# Altium PCB MB1292.PcbDoc (part 1 of 4)
Units mm, origin at the board's own origin, x right, y up, seen from the top; angles counter-clockwise.
Board outline 103.83 x 65.19 mm, 4 copper layers (L1, L2, L3, L4), stack 1.512 mm thick; 185 components, 157 nets, 707 pads, 942 vias.
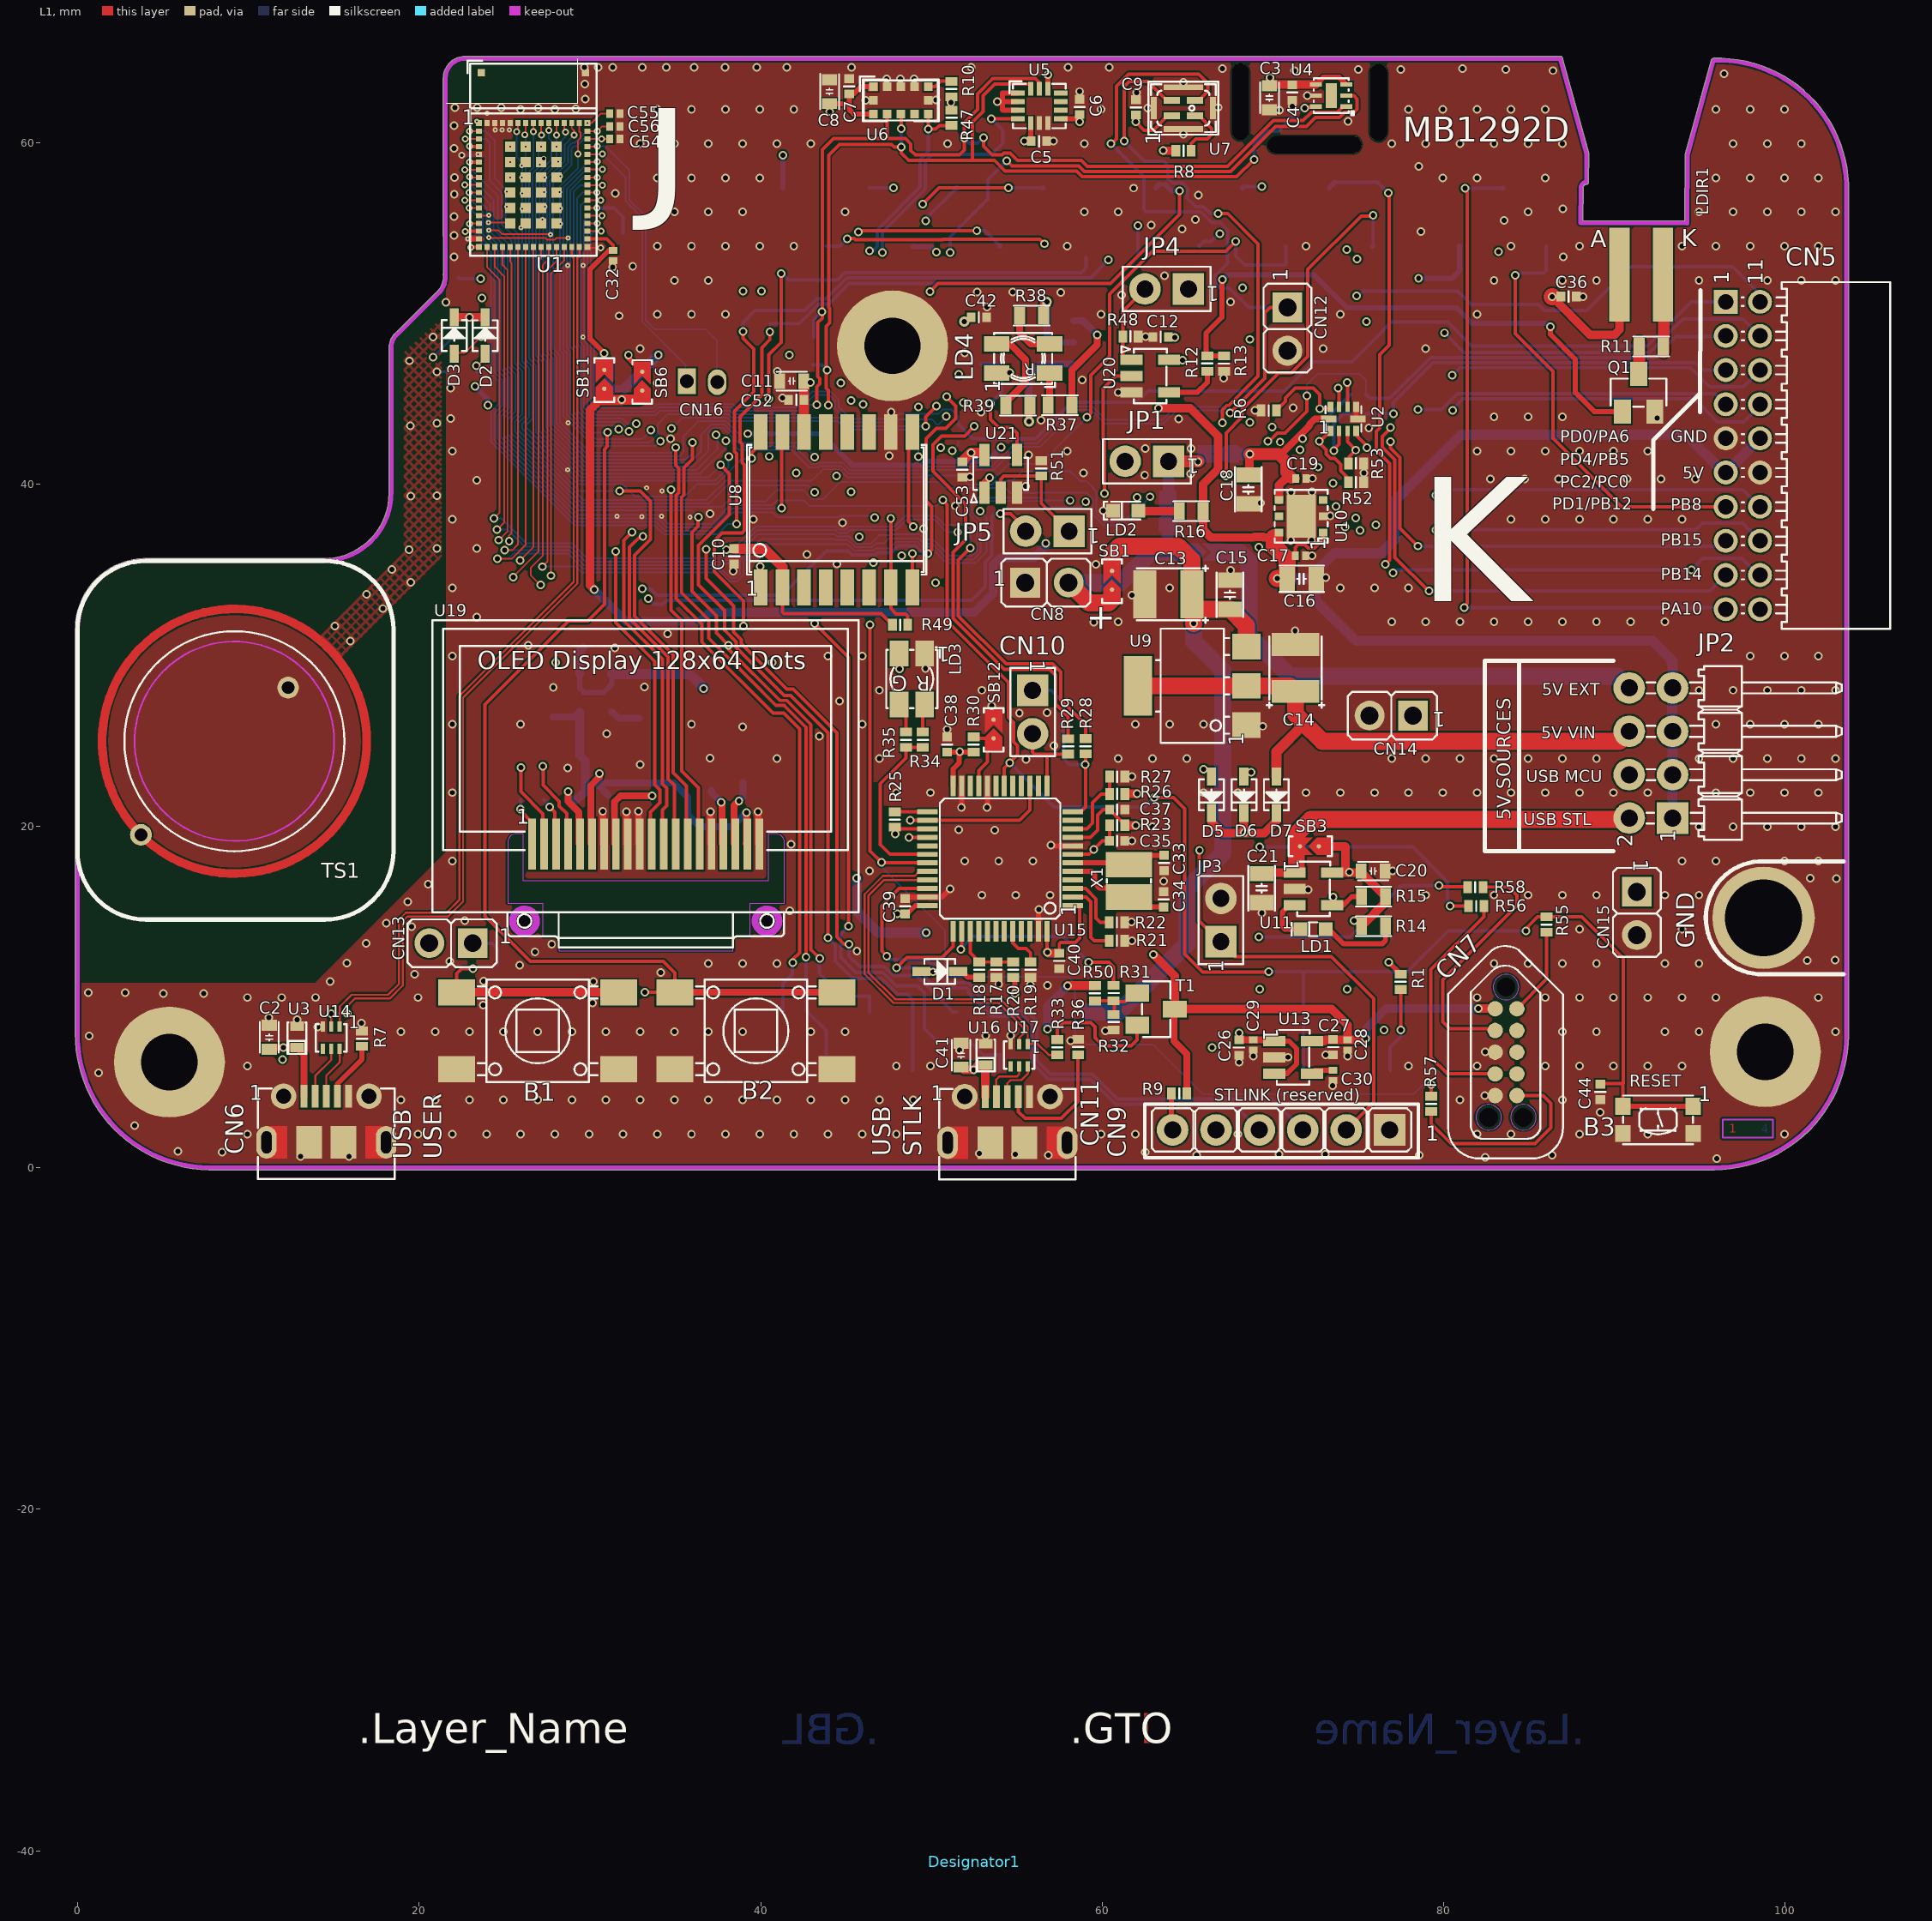
[diagram p0: L1 view]
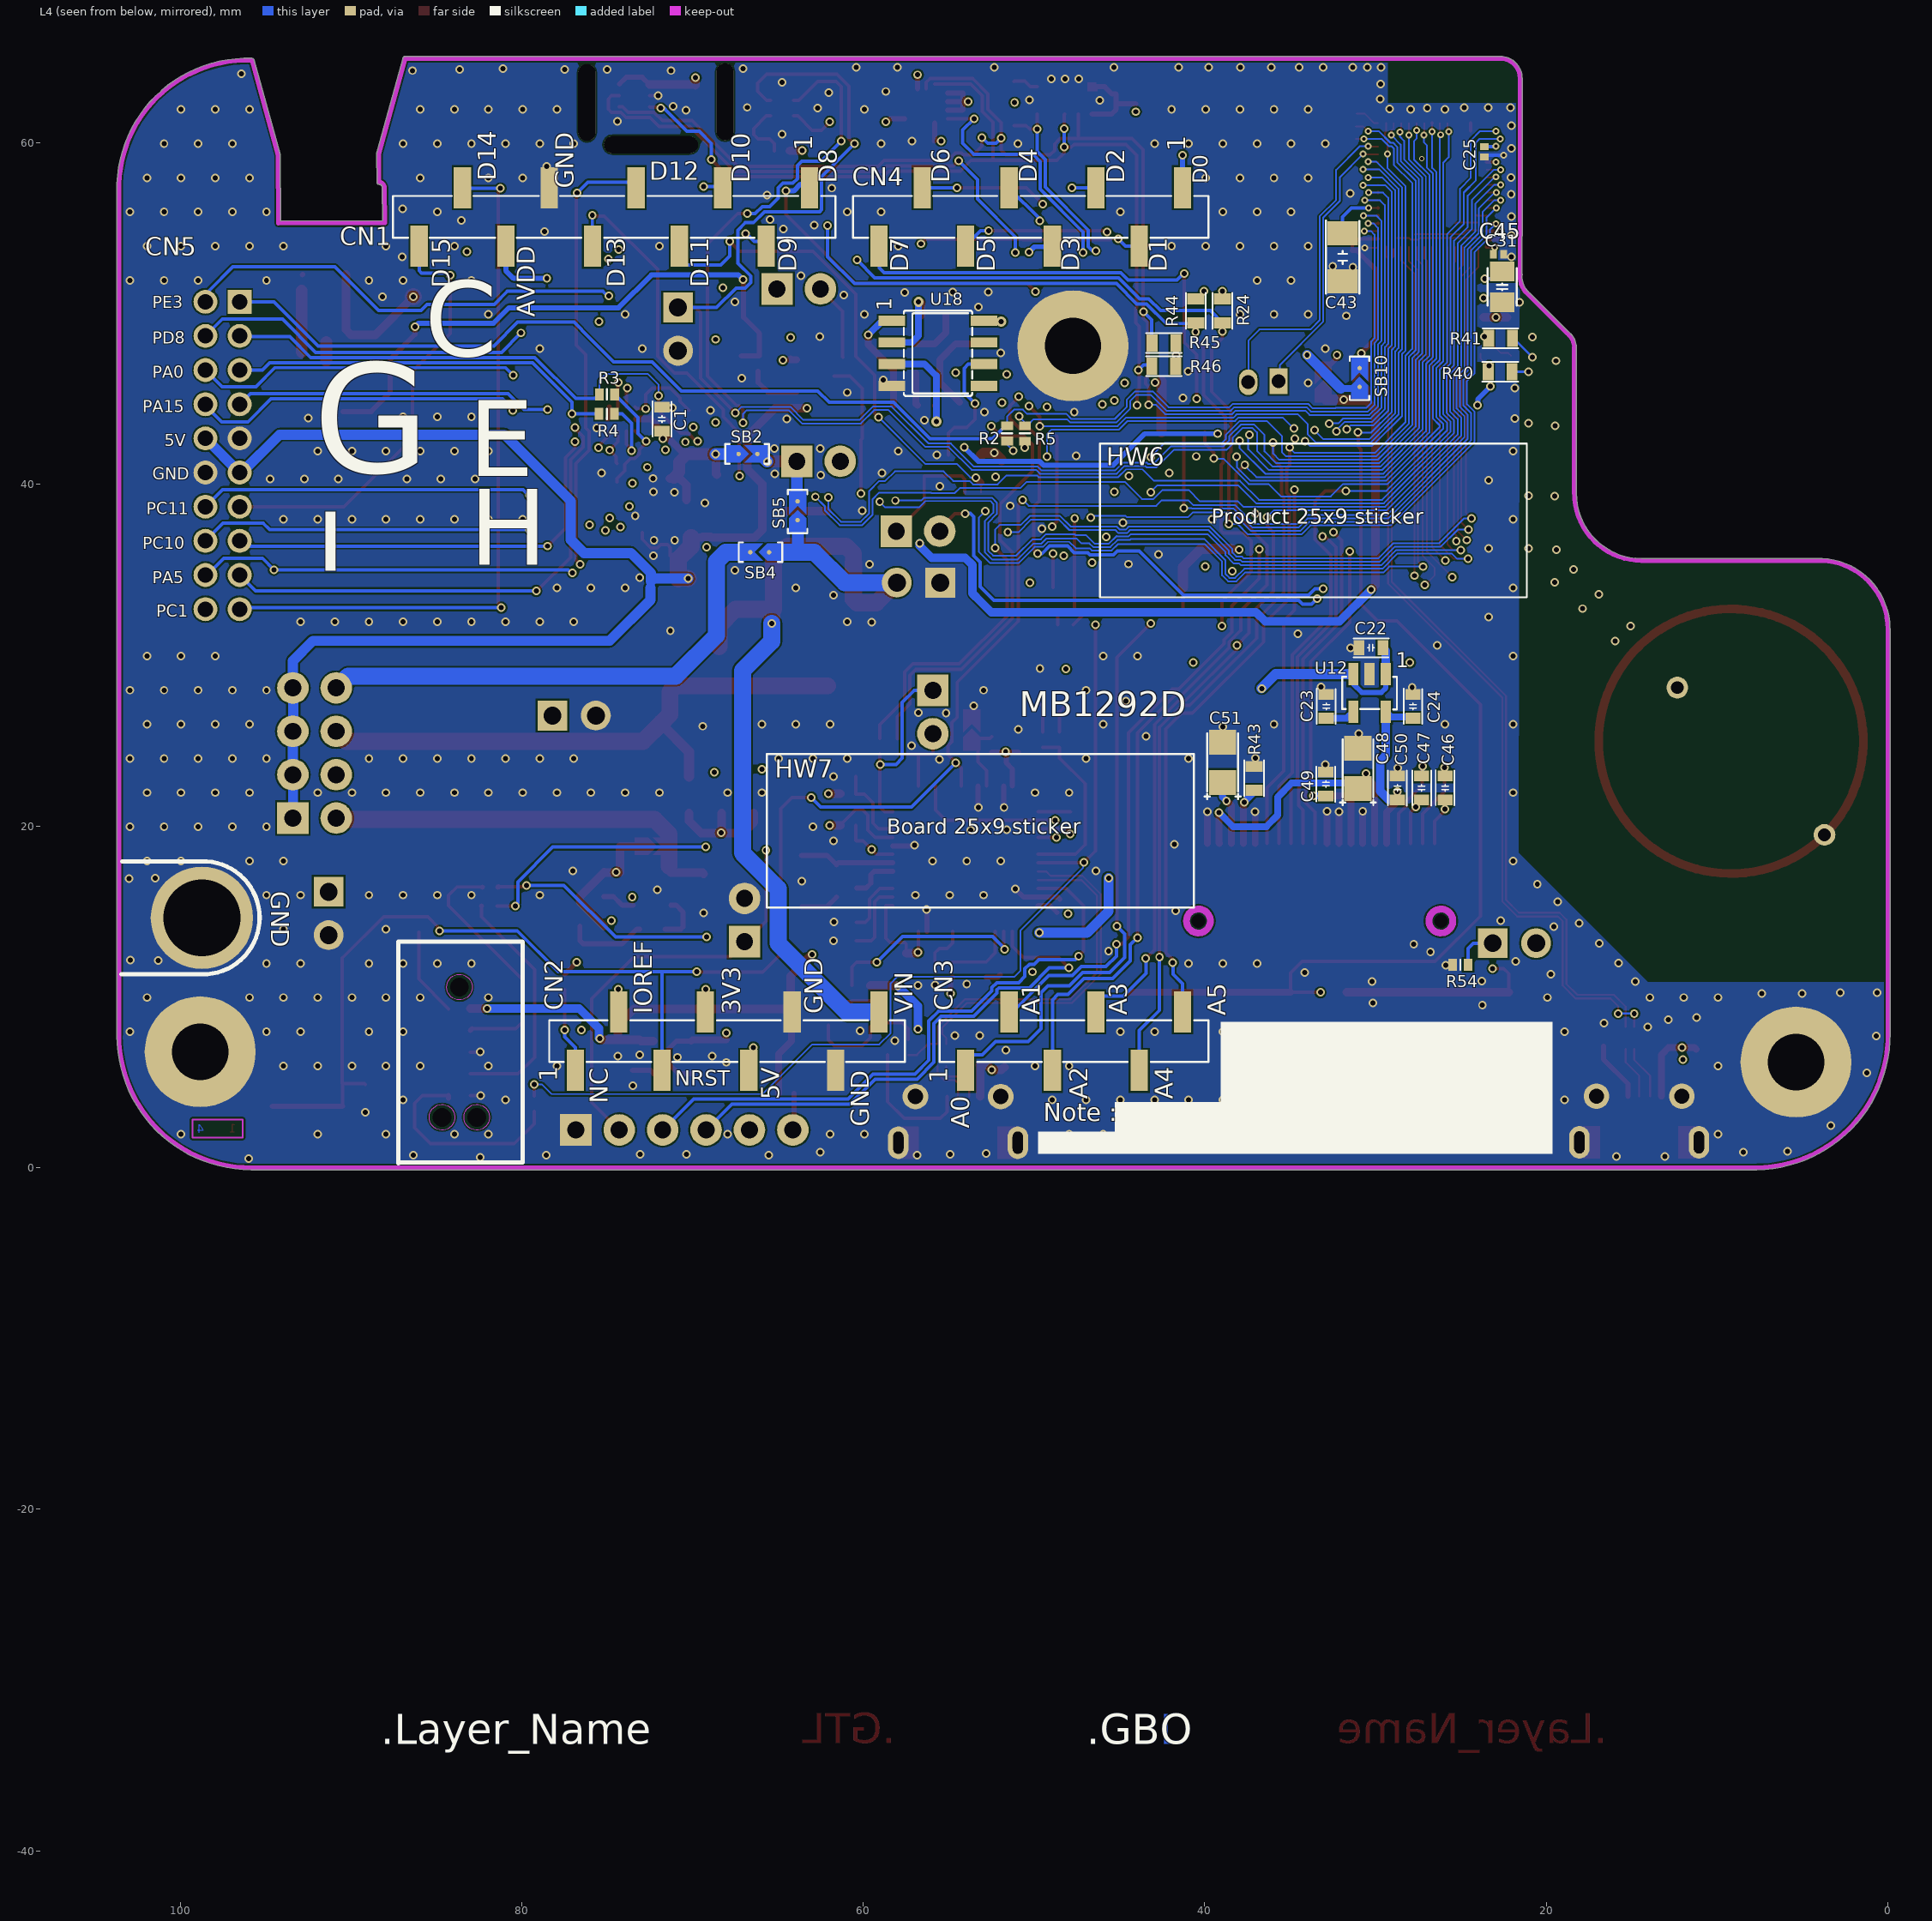
[diagram p1: L4 view, seen from below]
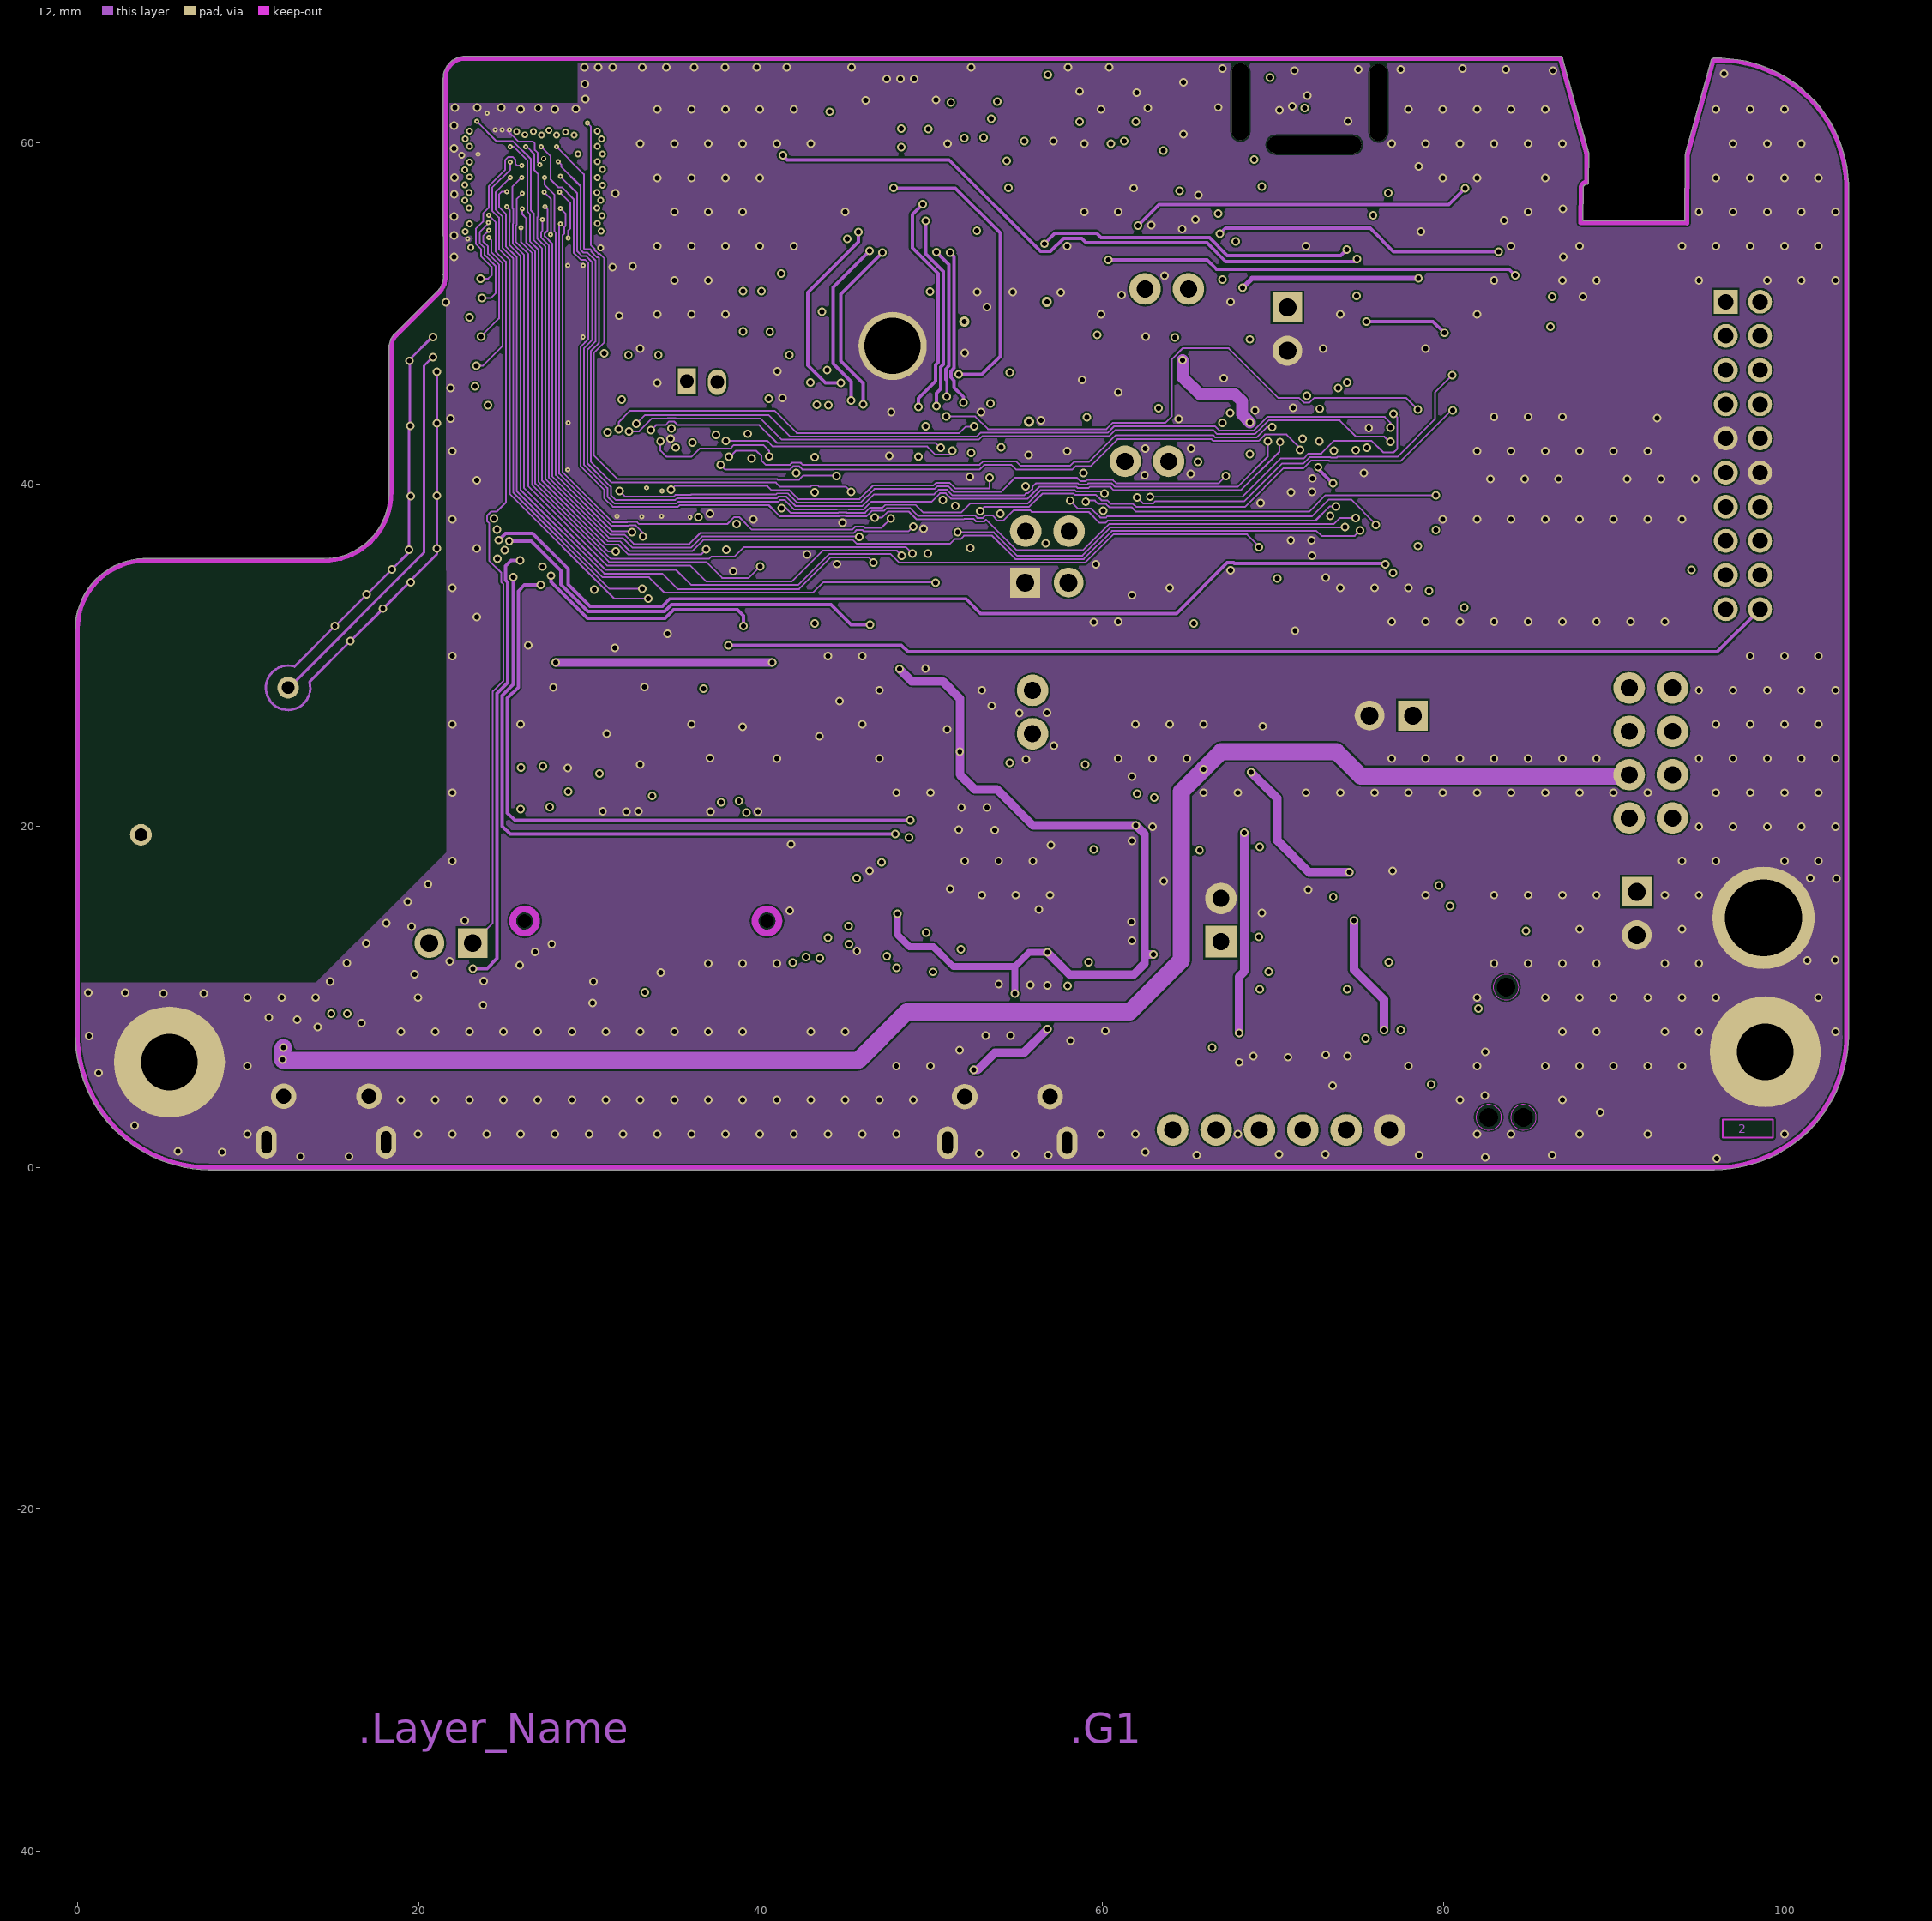
[diagram p2: L2]